# KiCad board Leopold Replacement.kicad_pcb (continued)
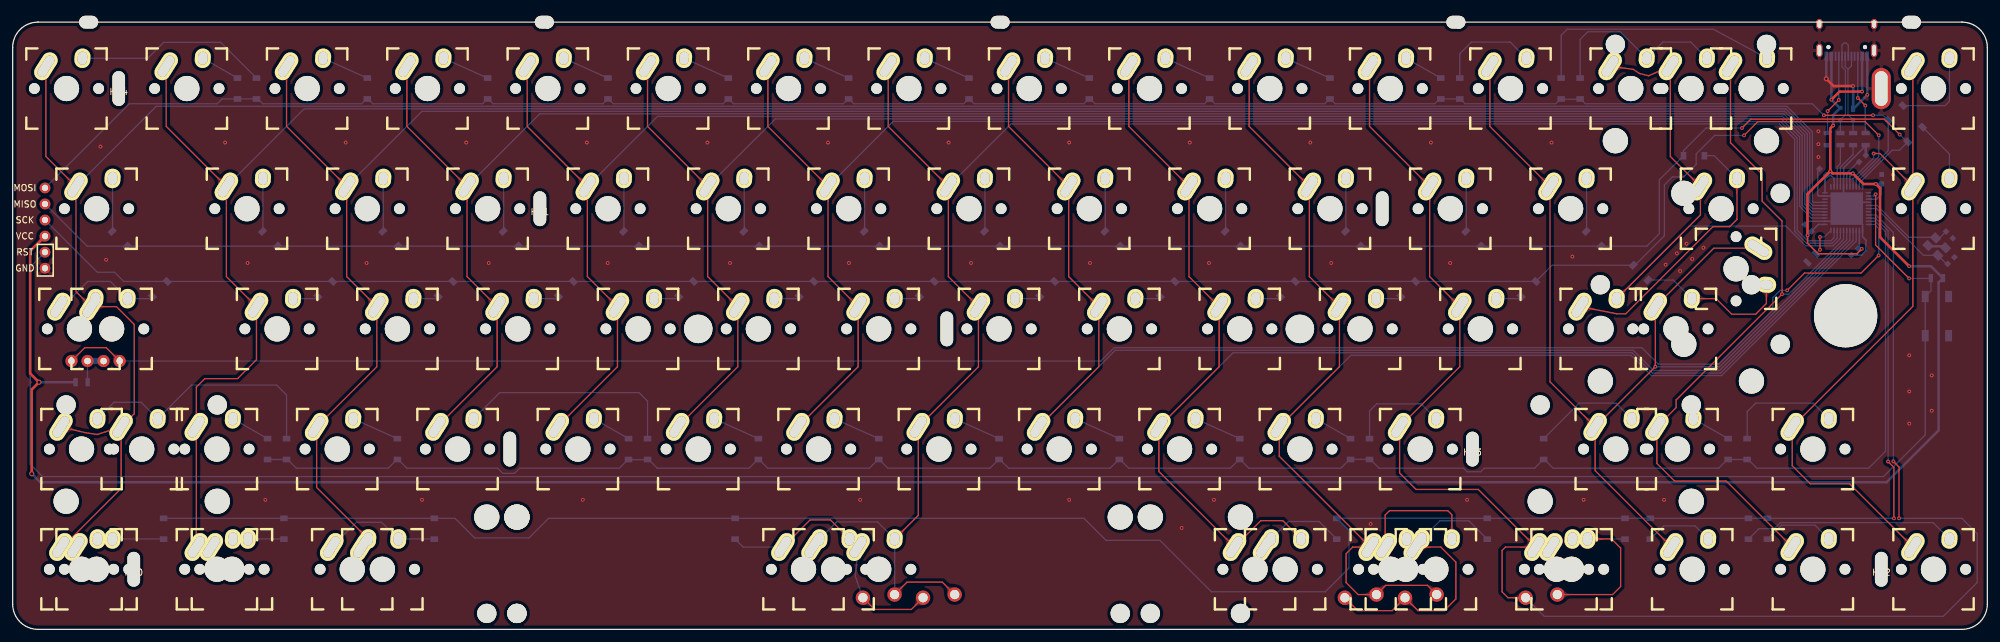
[diagram p0: board, top side]
## Routing (per net, layer and track width the routed paths; a pad name or vN(x,y) marks a point on that pad's centre or on a via; arc(x,y) is an arc through that point)
+5V: length 478
  Top w0.25: v1(292.13,60.19) 291.35,59.41 285.23,59.41 283.56,61.07 v1(283.56,62.34)
  Top w0.4: v1(283.56,62.34) 283.56,68.89 v1(287.15,72.48) ; v1(287.15,72.48) 287.51,72.12 v1(290.71,72.12) 292.39,70.45 v1(294.37,70.45) 295.02,69.8 295.02,62.03 v1(299.61,57.44) ; v1(287.15,72.48) 287.15,79.25 v1(287.6,79.7) ; J3.2 2.76,59.86 2.76,40.49 v2(4.16,39.09) 3.02,37.95 v2(3.02,24.61) ; v1(287.33,83.78) 288.61,85.06 v1(292.17,85.06)
  Bottom w0.25: U2.2 287.75,71.32 287.28,71.8 C1.2 ; U2.34 285.27,64.05 C5.2 ; U2.14 294.47,68.05 295.19,68.77 295.19,70.45 ; v1(290.71,72.12) 290.25,71.66 U2.7 ; U2.24 291.75,60.21 ; v1(283.56,62.34) 284.26,63.03 ; U2.44 286.31,71.79 ; v1(292.13,60.19) 291.47,60.19
  Bottom w0.4: 287.33,90.66 v1(287.33,83.78) 288.6,82.5 ; v1(292.17,85.06) 292.17,90.66 ; v2(4.16,39.09) R8.1 ; v1(287.6,79.7) 287.6,81.35 U1.4 ; v1(299.61,57.44) 303.06,57.44 R5.1 304.26,54.86 304.26,31.47 296.07,23.28 4.35,23.28 v2(3.02,24.61) ; v1(294.37,70.45) 295.19,70.45 ; v1(287.15,72.48) 286.39,71.72
GND: length 68.6
  Top w0.4: v1(290.75,85.94) 287.68,85.94 v3(286.52,87.09)
  Bottom w0.25: 292.79,76.54 289.25,73 U2.5 289.25,67.05 U2.45 ; U2.45 290.75,67.55 U2.15 ; U2.45 287.75,68.55 U2.43 285.34,68.55 285.17,68.72 285.17,72.89 ; U2.45 292.25,64.05 U2.23 292.25,62.1 292.77,61.58 292.77,59.86 292.11,59.2 C7.1 ; U2.45 287.75,64.55 U2.35 283.65,64.55 C5.1
  Bottom w0.4: v3(286.52,87.09) USB1.1 ; 293.05,90.61 293,90.66 v1(293,84.55) U1.1 v1(290.75,85.94) ; C6.2 292.75,75 R2.1 ; 302.71,60.6 305.11,60.6
  vias: v1(13.88,76.37) v1(14.76,58.46) v1(33.56,77) v1(37.12,57.95) v1(39.91,20.49) v1(52.61,77) v1(55.91,57.95) v1(64.67,20.49) v1(71.66,77) v1(75.22,57.95) v1(90.08,20.49) v1(90.71,77) v1(94.01,57.95) v1(109.76,77) v1(113.32,57.95) v1(128.81,77) v1(132.11,57.95) v1(133.89,20.49) v1(147.86,77) v1(151.42,57.95) v1(166.91,77) v1(166.91,20.49) v1(170.21,57.95) v1(184.69,16.04) v1(185.96,77) v1(189.01,57.95) v1(189.77,20.49) v1(205.01,77) v1(208.31,57.95) v1(214.53,16.68) v1(224.06,77) v1(227.11,57.95) v1(229.78,20.49) v1(243.11,77) v1(246.41,58.97) v1(248.19,20.49) v1(260.89,20.49) v1(261.14,57.7) v1(262.92,59.47) v1(263.43,56.68) v1(264.45,61) v1(265.33,58.59) v1(267.11,60.36) v1(285.27,78.78) v1(285.27,76.75) v1(285.27,74.71) v1(297.06,71.92) v1(299.62,43.35) v1(299.62,37.63) v1(299.62,32.55) v1(303.18,40.17) v1(303.18,34.58)
Col0: length 393
  Top w0.2: 5.25,89.07 5.25,74.81 MX2.1 10,53.42 MX3.1 16.4,51.05 19.21,48.23 19.21,34.11 MX4.1 ; MX4.1 13.34,30.82 11.41,31.13 MX58.1 ; MX4.1 17.13,22.28 7.88,13.03
  Bottom w0.2: U2.41 284.5,67.55 284.32,67.73 284.32,78.7 280.28,82.74 22.69,82.74 MX2.1
Col1: length 359.3
  Top w0.2: 24.26,89.07 24.26,79.56 MX6.1 33.77,55.8 MX7.1 38.52,42.64 35.54,39.66 30.36,39.66 29.01,38.32 MX8.1 MX67.1
  Bottom w0.2: MX6.1 46.05,82.34 280.11,82.34 283.92,78.53 283.92,67.56 284.43,67.05 U2.40
Col2: length 339.3
  Top w0.2: MX68.2 48.02,22.45 MX12.1 57.53,41.54 MX11.1 52.77,55.8 MX10.1 43.27,79.56 43.27,89.07
  Bottom w0.2: U2.39 284.37,66.55 283.52,67.39 283.52,78.37 279.95,81.94 64.66,81.94 MX10.1
Col3: length 299
  Top w0.2: MX16.1 76.54,41.54 MX15.1 71.78,55.8 71.78,70.06 62.28,79.56 62.28,89.07
  Bottom w0.2: 71.78,70.06 83.27,81.54 279.78,81.54 283.12,78.2 283.12,67.23 284.3,66.05 U2.38
Col4: length 279.9
  Top w0.2: 81.29,89.07 81.29,79.56 MX18.1 90.8,55.8 MX19.1 95.55,41.54 MX20.1
  Bottom w0.2: U2.37 284.23,65.55 282.72,67.06 282.72,78.04 279.62,81.14 101.88,81.14 MX18.1
Col5: length 260.7
  Top w0.2: MX24.1 114.56,41.54 MX23.1 109.81,55.8 MX22.1 100.3,79.56 100.3,89.07
  Bottom w0.2: U2.36 284.17,65.05 282.32,66.9 282.32,77.87 279.45,80.74 120.49,80.74 MX22.1
Col6: length 247.8
  Top w0.2: 119.31,89.07 119.31,79.56 MX26.1 128.81,55.8 MX27.1 133.57,41.54 MX28.1
  Bottom w0.2: MX26.1 139.1,80.34 279.29,80.34 281.92,77.7 281.92,63.13 283.59,61.47 287.26,61.47 287.75,61.96 U2.32
Col7: length 282.6
  Top w0.2: 138.32,89.07 138.32,79.56 147.82,70.06 147.82,55.8 MX31.1 152.58,41.54 MX32.1 143.07,18.03 MX86.2 ; MX73.1 146.86,7.47 141.28,7.47 MX85.1
  Bottom w0.2: MX85.1 139.34,5.53 MX86.2 136.64,16.99 130.16,16.99 MX83.2 ; 147.82,70.06 157.71,79.94 279.12,79.94 281.52,77.54 281.52,62.97 283.42,61.07 287.42,61.07 288.25,61.89 U2.31
Col8: length 211.5
  Top w0.2: MX36.1 171.59,41.54 MX35.1 166.84,55.8 MX34.1 157.33,79.56 157.33,89.07
  Bottom w0.2: U2.27 290.25,61.54 269.65,40.94 259.22,40.94 256.01,44.15 174.2,44.15 MX36.1
Col9: length 230.4
  Top w0.2: 176.34,89.07 176.34,79.56 MX38.1 185.84,55.8 MX39.1 190.6,41.54 MX40.1 181.09,24.96 MX77.1 197.18,17.18 200.66,17.18 MX79.2
  Bottom w0.2: MX40.1 192.81,43.75 255.85,43.75 259.06,40.54 269.82,40.54 290.75,61.48 U2.26
Col10: length 244.6
  Top w0.2: MX69.1 223.51,6.96 216.92,6.96 MX71.1 212.56,5.51 210.66,7.4 210.66,11.98 211.71,13.03 MX72.1 200.1,27.38 MX44.1 209.61,41.54 MX43.1 204.85,55.8 MX42.1 195.35,79.56 195.35,89.07 ; MX78.1 216.84,18.09 217.52,18.77 226.73,18.77 227.36,18.13 MX80.2
  Bottom w0.2: MX44.1 211.42,43.35 255.68,43.35 258.89,40.14 269.98,40.14 291.25,61.41 U2.25
Col11: length 263.3
  Top w0.2: v1(297.12,26.57) 298.01,25.68 v1(298.01,17.57) ; MX70.2 236.24,5.01 235.3,5.94 235.3,12.48 235.84,13.03 MX84.1 231.54,22.14 221.71,22.14 219.11,24.73 MX48.1 228.62,41.54 MX47.1 223.87,55.8 MX46.1 214.36,79.56 214.36,89.07
  Bottom w0.2: MX70.2 241.96,2.07 305.02,2.07 310.36,7.4 310.36,15.15 307.94,17.57 v1(298.01,17.57) ; U2.19 294.36,65.55 297.12,62.79 v1(297.12,26.57)
Col12: length 171
  Top w0.2: MX52.1 v1(259.51,41.54) MX51.1 268.75,60.29 MX64.1 ; MX52.1 250,25.11 MX74.1 ; MX52.1 242.88,39.16 MX50.1 233.37,79.56 233.37,89.07
  Bottom w0.2: U2.28 289.75,61.61 269.68,41.54 v1(259.51,41.54)
Col13: length 97.5
  Top w0.2: MX65.2 266.64,65.55 MX54.1 261.88,74.81 261.88,89.07 258.45,87.57 257.03,87.92 256.01,88.58 252.38,89.07
  Bottom w0.2: U2.30 288.75,61.83 287.59,60.67 283.26,60.67 280.13,63.79 264.88,63.79 MX65.2
Col14: length 116
  Top w0.2: 271.39,89.07 271.39,76.98 276.38,71.98 276.38,67.73 279.53,64.58 v1(279.53,53.02) 262.8,36.28 262.8,35.07 MX60.1 259.76,26.25 262.54,23.47 270.7,23.47 MX75.1
  Bottom w0.2: v1(279.53,53.02) 280.6,53.02 289.25,61.67 U2.29
Col15: length 110.4
  Top w0.2: 300.2,89.07 MX62.1 ; MX62.1 300.2,51.1 MX56.1 281.14,25.88 284,23.03 290.2,23.03 MX76.1 ; MX62.1 294.99,75.27 v1(294,75.27)
  Bottom w0.2: v1(294,75.27) 294,74.55 290.75,71.3 U2.8
D+: length 7.4
  Bottom w0.2: U2.4 288.75,73.1 290.75,75.1 R3.1
D-: length 6.8
  Bottom w0.2: R4.1 288.75,73.67 288.25,73.17 U2.3
Row0: length 318.2
  Top w0.2: v1(286.13,81.32) v1(293.91,81.32)
  Bottom w0.2: v1(286.13,81.32) 284.31,83.14 248.45,83.14 247.73,83.86 244.48,83.86 243.76,83.14 229.45,83.14 228.68,83.91 225.43,83.91 224.66,83.14 208.93,83.14 208.11,83.96 207.29,83.14 189.93,83.14 189.11,83.96 188.29,83.14 170.98,83.14 170.11,84.01 169.24,83.14 151.88,83.14 151.06,83.96 150.24,83.14 132.87,83.14 132.05,83.96 131.24,83.14 113.88,83.14 113.06,83.96 112.24,83.14 94.88,83.14 94.06,83.96 93.24,83.14 75.88,83.14 75.06,83.96 74.24,83.14 56.88,83.14 56.01,84.01 55.14,83.14 39.51,83.14 38.76,83.9 D5.1 33.09,83.9 32.33,83.14 18.43,83.14 J3.4 ; U2.10 291.75,71.17 296.3,75.72 D61.1 295.49,81.32 v1(293.91,81.32)
Row1: length 323.2
  Top w0.2: v1(298.13,78.27) 295.68,80.72 274.62,80.72 v1(273.2,79.3)
  Bottom w0.2: D62.1 298.09,75.79 296.94,75.79 292.25,71.1 U2.11 ; v1(298.13,78.27) 299.45,76.95 ; v1(273.2,79.3) 267.55,79.3 263.96,75.72 D54.1 260.14,71.09 260.14,62.59 258.17,60.62 D2.1 11.78,60.62 J3.1
Row2: length 320.3
  Top w0.2: v1(294.81,78.15) 292.65,80.32 275.71,80.32 v1(273.53,78.14)
  Bottom w0.2: v1(294.81,78.15) 294.81,74.8 291.25,71.23 U2.9 ; v1(273.53,78.14) 268.9,78.14 265.97,75.21 265.97,73.55 263.99,71.56 262.21,71.56 260.94,70.29 260.94,62.25 256.17,57.48 ; D51.1 243.21,57.59 D47.1 D3.1 17.56,55.03 16.1,56.49 13.37,56.49 J3.3
Row3: length 308.6
  Bottom w0.2: U2.21 294.23,64.55 295.88,62.89 295.88,28.18 293.21,25.5 275.56,25.5 274.19,26.87 270.89,26.87 269.53,25.5 243.36,25.5 241.9,26.96 240.44,25.5 232.51,25.5 231.93,24.93 229.78,24.93 229.2,25.5 215.87,25.5 214.47,26.9 211.23,26.9 209.84,25.5 195.29,25.5 193.83,26.96 192.37,25.5 176.31,25.5 174.85,26.96 173.39,25.5 157.32,25.5 155.86,26.96 154.4,25.5 138.27,25.5 136.81,26.96 135.35,25.5 119.28,25.5 117.82,26.96 116.36,25.5 101.82,25.5 100.49,26.84 97.19,26.84 95.85,25.5 80.11,25.5 79.28,24.68 77.44,24.68 76.61,25.5 62.26,25.5 60.8,26.96 59.34,25.5 44.8,25.5 43.44,26.87 40.07,26.87
Row4: length 342.7
  Top w0.2: v1(297.21,17.56) 297.21,25.63 v1(296.28,26.56)
  Bottom w0.2: D59.1 69.88,17.56 72.99,14.45 81.57,14.45 84.68,17.56 169.26,17.56 172.75,14.07 181.26,14.07 189.39,5.94 207.36,5.94 211.11,9.69 211.11,15.65 D67.1 v1(297.21,17.56) ; U2.20 294.29,65.05 296.28,63.06 v1(296.28,26.56)
RST: length 382.6
  Top w0.2: v1(294.32,68.82) 294.32,60.8 v1(299.61,55.51)
  Bottom w0.2: U2.13 294.05,68.55 v1(294.32,68.82) ; R5.2 303.05,53.55 SW1.2 SW1.2 302.15,30.76 295.56,24.17 4.73,24.17 2.76,26.14 2.76,57.32 J3.5 ; v1(299.61,55.51) 302.9,55.51
Net-(C2-Pad1): length 16.1
  Bottom w0.2: 305.59,57.71 Y1.1 301.88,59.16 294.49,66.55 U2.17
Net-(C3-Pad1): length 13.9
  Bottom w0.2: U2.16 294.55,67.05 299.59,62.01 303.56,62.01 ; C3.1 304.44,61.92
Net-(C6-Pad1): length 4.7
  Bottom w0.2: 291.57,73.95 289.75,72.13 U2.6
Net-(D1-Pad2): length 30.9
  Bottom w0.2: MX1.2 21.34,90.34 23.86,92.85 32.87,92.85 D1.2
Net-(D2-Pad2): length 8.3
  Bottom w0.2: MX2.2 15.78,63.03
Net-(D3-Pad2): length 17
  Bottom w0.2: 7.88,51.05 11.86,55.03 15.44,55.03 MX3.2 22.08,52.32
Net-(D4-Pad2): length 41.8
  Bottom w0.2: D4.2 43.27,37.06 41.69,38.65 28.25,38.65 MX4.2 20.3,35.92 16.01,35.92 MX58.2
Net-(D5-Pad2): length 6.3
  Bottom w0.2: 30.03,90.34 D5.2
Net-(D6-Pad2): length 8.3
  Bottom w0.2: MX6.2 39.54,63.04
Net-(D7-Pad2): length 4.1
  Bottom w0.2: MX7.2 48.36,52.32
Net-(D8-Pad2): length 6.3
  Bottom w0.2: MX8.2 D8.2
Net-(D9-Pad2): length 7.7
  Bottom w0.2: D9.2 MX9.2
Net-(D10-Pad2): length 8.2
  Bottom w0.2: MX10.2 58.55,63.13
Net-(D11-Pad2): length 3.9
  Bottom w0.2: MX11.2 67.19,52.32
Net-(D12-Pad2): length 7.7
  Bottom w0.2: D12.2 MX12.2
Net-(D13-Pad2): length 7.7
  Bottom w0.2: D13.2 68.06,90.34
Net-(D14-Pad2): length 8.2
  Bottom w0.2: MX14.2 77.56,63.09
Net-(D15-Pad2): length 4.1
  Bottom w0.2: MX15.2 86.39,52.32
Net-(D16-Pad2): length 35.7
  Bottom w0.2: MX16.2 76.94,37.44 98.97,37.44 100.3,36.1 D16.2
Net-(D17-Pad2): length 7.7
  Bottom w0.2: D17.2 MX17.2
Net-(D18-Pad2): length 8
  Bottom w0.2: MX18.2 96.57,63.3
Net-(D19-Pad2): length 4
  Bottom w0.2: MX19.2 105.36,52.32
Net-(D20-Pad2): length 6.3
  Bottom w0.2: D20.2 MX20.2
Net-(D21-Pad2): length 7.7
  Bottom w0.2: D21.2 MX21.2
Net-(D22-Pad2): length 8.3
  Bottom w0.2: MX22.2 115.58,63.01
Net-(D23-Pad2): length 4.1
  Bottom w0.2: MX23.2 124.39,52.32
Net-(D24-Pad2): length 7.7
  Bottom w0.2: D24.2 MX24.2
Net-(D25-Pad2): length 7.7
  Bottom w0.2: D25.2 MX25.2
Net-(D26-Pad2): length 8.2
  Bottom w0.2: MX26.2 134.59,63.1
Net-(D27-Pad2): length 4
  Bottom w0.2: MX27.2 143.34,52.32
Net-(D28-Pad2): length 7.7
  Bottom w0.2: D28.2 MX28.2
Net-(D29-Pad2): length 7.7
  Bottom w0.2: D29.2 MX29.2
Net-(D30-Pad2): length 8
  Bottom w0.2: MX30.2 153.6,63.31
Net-(D31-Pad2): length 4.1
  Bottom w0.2: MX31.2 162.49,52.32
Net-(D32-Pad2): length 7.7
  Bottom w0.2: D32.2 MX32.2
Net-(D33-Pad2): length 7.7
  Bottom w0.2: D33.2 163.1,90.34
Net-(D34-Pad2): length 8.2
  Bottom w0.2: MX34.2 172.61,63.14
Net-(D35-Pad2): length 4
  Bottom w0.2: MX35.2 181.38,52.32
Net-(D36-Pad2): length 7.7
  Bottom w0.2: D36.2 MX36.2
Net-(D37-Pad2): length 7.7
  Bottom w0.2: D37.2 MX37.2
Net-(D38-Pad2): length 8.2
  Bottom w0.2: MX38.2 191.62,63.1
Net-(D39-Pad2): length 4
  Bottom w0.2: MX39.2 200.33,52.32
Net-(D40-Pad2): length 7.7
  Bottom w0.2: D40.2 MX40.2
Net-(D41-Pad2): length 7.7
  Bottom w0.2: D41.2 MX41.2
Net-(D42-Pad2): length 8.1
  Bottom w0.2: MX42.2 210.63,63.19
Net-(D43-Pad2): length 4.1
  Bottom w0.2: MX43.2 219.48,52.32
Net-(D44-Pad2): length 6.3
  Bottom w0.2: D44.2 MX44.2
Net-(D45-Pad2): length 6.3
  Bottom w0.2: MX45.2 D45.2
Net-(D46-Pad2): length 8
  Bottom w0.2: MX46.2 229.64,63.28
Net-(D47-Pad2): length 4.1
  Bottom w0.2: MX47.2 238.53,52.32
Net-(D48-Pad2): length 16.3
  Bottom w0.2: D48.2 214.36,34.54 215.49,35.66 222.53,35.66 MX48.2
Net-(D49-Pad2): length 16.2
  Bottom w0.2: MX49.2 236.58,92.9 230.46,92.9 228.62,91.06 D49.2
Net-(D50-Pad2): length 8.3
  Bottom w0.2: MX50.2 248.65,62.98
Net-(D51-Pad2): length 24.6
  Top w0.2: MX51.2 269.12,52.32 271.58,49.85 275.37,49.85 277.06,51.54 MX64.2
  Bottom w0.2: D51.2 262.34,55.26 MX51.2
Net-(D52-Pad2): length 17.3
  Bottom w0.2: MX52.2 253.3,35.79 247.5,35.79 D52.2
Net-(D53-Pad2): length 30.5
  Bottom w0.2: MX63.2 265.09,92.9 260.72,92.9 MX53.2 253.96,94.53 248.85,94.53 247.63,93.31 247.63,87.16
Net-(D54-Pad2): length 44.2
  Top w0.2: MX65.1 253.37,49.92 254.84,49.92 268.61,63.69 271.25,63.69 272.41,64.85 MX54.2
  Bottom w0.2: D54.2 268.82,74.92 MX54.2
Net-(D55-Pad1): length 303.6
  Top w0.2: v1(294.8,59.14) 292.02,56.36 283.08,56.36 v1(280.34,53.62) ; D55.1 14.8,44.55 11.39,44.55 D71.1
  Bottom w0.2: v1(294.8,59.14) 294.8,63.41 294.16,64.05 U2.22 ; v1(280.34,53.62) 279.25,53.62 278.07,52.44 278.07,50.49 269.53,41.95 259.99,41.95 257.39,44.55 174.03,44.55 171.93,42.45 D55.1
Net-(D55-Pad2): length 5.8
  Bottom w0.2: D71.2 11.82,39.17
  Bottom w1: D71.2 D55.2
Net-(D56-Pad2): length 18.8
  Bottom w0.2: D56.2 274.02,34.44 275.37,35.79 284.44,35.79 MX56.2
Net-(D57-Pad2): length 40.9
  Bottom w0.2: D57.2 244.63,93.96 245.59,94.93 268.67,94.93 MX57.2
Net-(D58-Pad2): length 6.3
  Bottom w0.2: D58.2 MX60.2
Net-(D59-Pad2): length 8.2
  Bottom w0.2: MX88.2 23.94,14.3
Net-(D60-Pad2): length 5.3
  Bottom w0.2: MX59.2 42.48,14.3
Net-(D61-Pad2): length 14.4
  Bottom w0.2: MX61.2 305.98,83.53 305.29,82.84 D61.2
Net-(D62-Pad2): length 9.9
  Bottom w0.2: MX62.2 305.98,75.19 D62.2
Net-(D63-Pad2): length 18.5
  Bottom w0.2: MX68.1 54.3,16.93 58.29,16.93 MX66.2 66.17,14.3
Net-(D64-Pad2): length 10.9
  Bottom w0.2: MX74.2 265.8,16.36 260.81,16.36 D64.2
Net-(D65-Pad2): length 11.5
  Bottom w0.2: D65.2 279.45,16.48 284.73,16.48 MX75.2
Net-(D66-Pad2): length 33.9
  Bottom w0.2: D66.2 275.9,15.93 278.33,15.93 279.28,16.88 303.39,16.88 MX76.2
Net-(D67-Pad2): length 12.7
  Bottom w0.2: MX77.2 201.56,17.06 206.4,17.06 D67.2
Net-(D68-Pad2): length 46.8
  Top w0.2: MX80.1 225.61,13.03 228,10.64 228,4.8 226.16,2.96 222.01,2.96 MX69.2 217.92,2.96 212.51,2.96 MX71.2
  Bottom w0.2: MX78.2 225.48,17.16 230.05,17.16 D68.2
Net-(D69-Pad2): length 28.3
  Top w0.2: MX81.2 252.6,14.3 254.03,12.87 254.03,6.77 252.77,5.51 MX70.1
  Bottom w0.2: MX81.2 254.7,14.3
Net-(D70-Pad2): length 40.9
  Top w0.2: MX85.2 136.18,3.15 141.97,3.15 MX73.2 ; MX83.1 125.97,17.31 129.2,17.31 MX82.2
  Bottom w0.2: MX86.1 133.13,8.39 MX85.2 ; D70.2 115.38,13.03 MX83.1
Net-(R1-Pad2): length 12.9
  Top w0.2: v1(288.5,83.74) v1(286.73,81.98)
  Bottom w0.2: R1.2 286.73,78.52 v1(286.73,81.98) ; USB1.4 v1(288.5,83.74)
Net-(R2-Pad2): length 12.6
  Top w0.2: v1(291.5,84.04) v1(292.69,82.85)
  Bottom w0.2: v1(291.5,84.04) 291.5,84.05 USB1.10 ; v1(292.69,82.85) 292.69,78.58
Net-(R3-Pad2): length 15
  Bottom w0.2: USB1.8 290.5,89.14 289.95,88.59 ; R3.2 U1.2 289.95,81.4 289.95,88.59 ; 289.95,88.59 289.5,89.04 USB1.6
Net-(R4-Pad2): length 17.5
  Bottom w0.2: USB1.7 290,92.42 289.67,92.75 289.33,92.75 289,92.42 USB1.5 289,88.97 289.54,88.43 289.54,81.39 U1.3 R4.2
Net-(R6-Pad2): length 5.1
  Top w0.2: v1(285.53,60.03) v1(285.53,62.07)
  Bottom w0.2: R6.2 v1(285.53,60.03) ; U2.33 286.2,62.07 v1(285.53,62.07)

## Copper pours and planes (outline as drawn; the poured copper is in the pictures)
+5V on Top: 4.06,60.87 4.11,60.92 4.16,60.96 4.2,61 4.25,61.04 4.29,61.07 4.34,61.1 4.38,61.13 5.39,61.4 5.41,62.51 4.31,62.48 4.03,61.47 4.01,61.43 3.98,61.39 3.94,61.34 3.91,61.3 3.87,61.25 3.82,61.2 3.78,61.15
GND on Top: 325.86,-11.29 -7.49,-11.29 -7.49,100.11 325.86,100.11
GND on Bottom: 325.86,-11.29 -7.49,-11.29 -7.49,100.11 325.86,100.11
Col0 on Top: 5.35,86.58 5.35,86.68 5.36,86.78 5.37,86.87 5.38,86.96 5.4,87.04 5.42,87.12 5.44,87.19 5.46,87.25 5.49,87.31 5.52,87.37 5.55,87.43 5.59,87.48 5.62,87.53 5.66,87.58 6.01,87.97 6.06,88.03 6.1,88.09 6.15,88.15 6.2,88.21 6.24,88.28 6.29,88.36 6.33,88.44 6.38,88.52 5.25,89.69 4.12,88.52 4.17,88.44 4.21,88.36 4.26,88.28 4.3,88.21 4.35,88.15 4.4,88.09 4.44,88.03 4.49,87.97 4.84,87.58 4.88,87.53 4.91,87.48 4.95,87.43 4.98,87.37 5.01,87.31 5.04,87.25 5.06,87.19 5.08,87.12 5.1,87.04 5.12,86.96 5.13,86.87 5.14,86.78 5.15,86.68 5.15,86.58
Col0 on Top: 10.07,31.55 9.97,31.58 9.87,31.61 9.79,31.64 9.7,31.67 9.63,31.71 9.56,31.74 9.5,31.78 9.44,31.82 9.39,31.86 9.34,31.9 9.29,31.95 9.25,31.99 9.2,32.04 9.17,32.09 8.87,32.52 8.82,32.58 8.78,32.64 8.73,32.7 8.68,32.76 8.62,32.82 8.56,32.88 8.49,32.94 8.42,33 7.02,32.18 7.89,30.81 7.99,30.84 8.07,30.86 8.16,30.89 8.24,30.92 8.31,30.95 8.38,30.98 8.45,31.01 8.51,31.04 8.97,31.29 9.03,31.31 9.09,31.34 9.15,31.36 9.21,31.38 9.27,31.39 9.34,31.41 9.41,31.41 9.48,31.42 9.56,31.42 9.64,31.42 9.73,31.41 9.82,31.4 9.92,31.38 10.02,31.36
Col0 on Top: 10.55,52.74 10.62,52.66 10.69,52.58 10.75,52.51 10.8,52.44 10.84,52.37 10.88,52.31 10.92,52.24 10.95,52.18 10.97,52.11 10.99,52.05 11.01,51.99 11.02,51.93 11.03,51.86 11.04,51.8 11.07,51.28 11.07,51.21 11.08,51.13 11.09,51.06 11.11,50.98 11.12,50.9 11.14,50.81 11.17,50.73 11.2,50.64 12.82,50.6 12.79,52.23 12.7,52.26 12.61,52.28 12.53,52.3 12.44,52.32 12.37,52.33 12.29,52.34 12.22,52.35 12.14,52.36 11.62,52.39 11.56,52.39 11.5,52.4 11.44,52.42 11.37,52.43 11.31,52.45 11.25,52.48 11.18,52.51 11.12,52.54 11.05,52.58 10.98,52.63 10.91,52.68 10.84,52.74 10.77,52.8 10.69,52.88
Col0 on Top: 14.79,31.18 14.89,31.21 14.99,31.24 15.08,31.26 15.17,31.27 15.25,31.28 15.32,31.28 15.4,31.28 15.47,31.28 15.54,31.27 15.6,31.26 15.66,31.25 15.73,31.23 15.78,31.21 15.84,31.19 16.32,30.98 16.39,30.95 16.46,30.92 16.53,30.9 16.61,30.87 16.69,30.85 16.77,30.83 16.86,30.81 16.96,30.8 17.73,32.23 16.27,32.94 16.2,32.87 16.14,32.81 16.08,32.74 16.03,32.68 15.98,32.61 15.94,32.55 15.9,32.49 15.86,32.43 15.59,31.98 15.56,31.92 15.52,31.87 15.48,31.83 15.44,31.78 15.39,31.73 15.34,31.69 15.28,31.64 15.22,31.6 15.16,31.56 15.09,31.52 15.01,31.48 14.92,31.44 14.83,31.41 14.73,31.37
Col0 on Top: 10.1,67.57 10.1,67.67 10.11,67.77 10.12,67.86 10.13,67.95 10.15,68.03 10.17,68.11 10.19,68.18 10.22,68.24 10.24,68.3 10.27,68.36 10.31,68.42 10.34,68.47 10.38,68.52 10.42,68.57 10.76,68.96 10.81,69.02 10.86,69.08 10.9,69.14 10.95,69.2 11,69.27 11.04,69.35 11.08,69.43 11.13,69.51 10,70.68 8.88,69.51 8.92,69.43 8.96,69.35 9.01,69.27 9.06,69.2 9.1,69.14 9.15,69.08 9.19,69.02 9.24,68.96 9.59,68.57 9.63,68.52 9.66,68.47 9.7,68.42 9.73,68.36 9.76,68.3 9.79,68.24 9.81,68.18 9.84,68.11 9.86,68.03 9.87,67.95 9.89,67.86 9.89,67.77 9.9,67.67 9.9,67.57
Col0 on Top: 17.23,29.55 17.23,29.65 17.24,29.75 17.25,29.84 17.26,29.93 17.28,30.01 17.3,30.09 17.32,30.16 17.34,30.22 17.37,30.28 17.4,30.34 17.43,30.4 17.47,30.45 17.51,30.5 17.54,30.55 17.89,30.94 17.94,31 17.99,31.06 18.03,31.12 18.08,31.18 18.12,31.25 18.17,31.33 18.21,31.41 18.26,31.49 17.13,32.66 16.01,31.49 16.05,31.41 16.09,31.33 16.14,31.25 16.18,31.18 16.23,31.12 16.28,31.06 16.32,31 16.37,30.94 16.72,30.55 16.76,30.5 16.79,30.45 16.83,30.4 16.86,30.34 16.89,30.28 16.92,30.22 16.94,30.16 16.97,30.09 16.99,30.01 17,29.93 17.01,29.84 17.02,29.75 17.03,29.65 17.03,29.55
Col0 on Top: 18.82,33.87 18.74,33.79 18.67,33.73 18.6,33.67 18.53,33.62 18.46,33.57 18.39,33.53 18.33,33.5 18.26,33.47 18.2,33.44 18.14,33.42 18.07,33.41 18.01,33.39 17.95,33.38 17.89,33.38 17.37,33.35 17.29,33.34 17.22,33.33 17.14,33.32 17.07,33.31 16.98,33.29 16.9,33.27 16.81,33.25 16.72,33.22 16.69,31.59 18.31,31.63 18.34,31.72 18.37,31.8 18.39,31.89 18.4,31.97 18.42,32.05 18.43,32.12 18.44,32.2 18.44,32.27 18.47,32.79 18.48,32.85 18.49,32.92 18.5,32.98 18.52,33.04 18.54,33.1 18.56,33.17 18.59,33.23 18.63,33.3 18.67,33.36 18.71,33.43 18.76,33.5 18.82,33.57 18.89,33.65 18.96,33.73
Col0 on Top: 9.45,14.74 9.37,14.67 9.3,14.6 9.23,14.55 9.16,14.5 9.1,14.45 9.03,14.42 8.97,14.38 8.91,14.36 8.85,14.34 8.79,14.32 8.72,14.31 8.66,14.29 8.6,14.29 8.54,14.28 8.48,14.28 7.88,14.3 7.81,14.3 7.73,14.3 7.65,14.29 7.56,14.28 7.48,14.27 7.39,14.25 7.13,12.65 8.74,12.45 8.78,12.54 8.82,12.63 8.85,12.71 8.88,12.79 8.91,12.87 8.93,12.95 8.95,13.02 8.96,13.09 8.97,13.16 9.04,13.62 9.06,13.69 9.07,13.75 9.09,13.82 9.11,13.88 9.13,13.95 9.16,14.01 9.19,14.08 9.23,14.15 9.27,14.22 9.32,14.29 9.38,14.36 9.44,14.44 9.51,14.51 9.59,14.6
Col0 on Top: 8.17,71.75 8.24,71.67 8.31,71.59 8.37,71.52 8.42,71.45 8.47,71.38 8.51,71.32 8.54,71.25 8.57,71.19 8.59,71.12 8.61,71.06 8.63,71 8.64,70.94 8.65,70.87 8.66,70.81 8.69,70.29 8.7,70.22 8.71,70.14 8.72,70.07 8.73,69.99 8.75,69.91 8.77,69.82 8.79,69.74 8.82,69.65 10.44,69.61 10.41,71.24 10.32,71.27 10.23,71.29 10.15,71.31 10.07,71.33 9.99,71.34 9.91,71.35 9.84,71.36 9.77,71.37 9.24,71.4 9.18,71.4 9.12,71.41 9.06,71.43 9,71.44 8.93,71.46 8.87,71.49 8.81,71.52 8.74,71.55 8.67,71.59 8.61,71.64 8.54,71.69 8.46,71.75 8.39,71.81 8.31,71.89
Col0 on Top: 14.87,51.15 14.76,51.15 14.66,51.15 14.57,51.16 14.48,51.18 14.4,51.19 14.33,51.21 14.26,51.23 14.19,51.26 14.13,51.29 14.07,51.32 14.02,51.35 13.96,51.38 13.91,51.42 13.86,51.46 13.47,51.81 13.42,51.85 13.36,51.9 13.3,51.95 13.23,51.99 13.16,52.04 13.09,52.08 13.01,52.13 12.92,52.17 11.75,51.05 12.92,49.92 13.01,49.96 13.09,50.01 13.16,50.05 13.23,50.1 13.3,50.14 13.36,50.19 13.42,50.24 13.47,50.28 13.86,50.63 13.91,50.67 13.96,50.71 14.02,50.74 14.07,50.77 14.13,50.8 14.19,50.83 14.26,50.86 14.33,50.88 14.4,50.9 14.48,50.92 14.57,50.93 14.66,50.94 14.76,50.94 14.87,50.95
Col0 on Bottom: 11.69,71.89 11.62,71.81 11.54,71.75 11.47,71.69 11.4,71.64 11.33,71.59 11.26,71.55 11.2,71.52 11.13,71.49 11.07,71.46 11.01,71.44 10.95,71.43 10.88,71.41 10.82,71.4 10.76,71.4 10.24,71.37 10.17,71.36 10.09,71.35 10.02,71.34 9.94,71.33 9.86,71.31 9.77,71.29 9.68,71.27 9.59,71.24 9.56,69.61 11.18,69.65 11.21,69.74 11.24,69.82 11.26,69.91 11.28,69.99 11.29,70.07 11.3,70.14 11.31,70.22 11.31,70.29 11.34,70.81 11.35,70.87 11.36,70.94 11.37,71 11.39,71.06 11.41,71.12 11.44,71.19 11.46,71.25 11.5,71.32 11.54,71.38 11.58,71.45 11.64,71.52 11.69,71.59 11.76,71.67 11.83,71.75
Col1 on Top: 28.91,34.53 28.91,34.42 28.9,34.32 28.9,34.23 28.88,34.14 28.87,34.06 28.85,33.99 28.82,33.92 28.8,33.85 28.77,33.79 28.74,33.73 28.71,33.67 28.67,33.62 28.64,33.57 28.6,33.52 28.25,33.13 28.2,33.07 28.16,33.02 28.11,32.95 28.07,32.89 28.02,32.82 27.97,32.74 27.93,32.67 27.89,32.58 29.01,31.41 30.14,32.58 30.09,32.67 30.05,32.74 30.01,32.82 29.96,32.89 29.91,32.95 29.87,33.02 29.82,33.07 29.77,33.13 29.43,33.52 29.39,33.57 29.35,33.62 29.32,33.67 29.28,33.73 29.25,33.79 29.23,33.85 29.2,33.92 29.18,33.99 29.16,34.06 29.14,34.14 29.13,34.23 29.12,34.32 29.11,34.42 29.11,34.53
Col1 on Top: 28.91,15.52 28.91,15.41 28.9,15.31 28.9,15.22 28.88,15.13 28.87,15.05 28.85,14.98 28.82,14.91 28.8,14.84 28.77,14.78 28.74,14.72 28.71,14.66 28.67,14.61 28.64,14.56 28.6,14.51 28.25,14.12 28.2,14.06 28.16,14.01 28.11,13.94 28.07,13.88 28.02,13.81 27.97,13.73 27.93,13.66 27.89,13.57 29.01,12.4 30.14,13.57 30.09,13.66 30.05,13.73 30.01,13.81 29.96,13.88 29.91,13.94 29.87,14.01 29.82,14.06 29.77,14.12 29.43,14.51 29.39,14.56 29.35,14.61 29.32,14.66 29.28,14.72 29.25,14.78 29.23,14.84 29.2,14.91 29.18,14.98 29.16,15.05 29.14,15.13 29.13,15.22 29.12,15.31 29.11,15.41 29.11,15.52
Col1 on Top: 31.93,71.75 32.01,71.67 32.07,71.59 32.13,71.52 32.18,71.45 32.23,71.38 32.27,71.32 32.3,71.25 32.33,71.19 32.36,71.12 32.38,71.06 32.39,71 32.41,70.94 32.42,70.87 32.42,70.81 32.45,70.29 32.46,70.22 32.47,70.14 32.48,70.07 32.49,69.99 32.51,69.91 32.53,69.82 32.55,69.74 32.58,69.65 34.21,69.61 34.18,71.24 34.08,71.27 34,71.29 33.91,71.31 33.83,71.33 33.75,71.34 33.68,71.35 33.6,71.36 33.53,71.37 33.01,71.4 32.95,71.4 32.88,71.41 32.82,71.43 32.76,71.44 32.7,71.46 32.63,71.49 32.57,71.52 32.5,71.55 32.44,71.59 32.37,71.64 32.3,71.69 32.23,71.75 32.15,71.81 32.08,71.89
Col1 on Top: 24.36,86.58 24.36,86.68 24.37,86.78 24.38,86.87 24.39,86.96 24.41,87.04 24.43,87.12 24.45,87.19 24.47,87.25 24.5,87.31 24.53,87.37 24.56,87.43 24.6,87.48 24.63,87.53 24.67,87.58 25.02,87.97 25.07,88.03 25.11,88.09 25.16,88.15 25.21,88.21 25.25,88.28 25.3,88.36 25.34,88.44 25.39,88.52 24.26,89.69 23.14,88.52 23.18,88.44 23.22,88.36 23.27,88.28 23.31,88.21 23.36,88.15 23.41,88.09 23.45,88.03 23.5,87.97 23.85,87.58 23.89,87.53 23.92,87.48 23.96,87.43 23.99,87.37 24.02,87.31 24.05,87.25 24.07,87.19 24.09,87.12 24.11,87.04 24.13,86.96 24.14,86.87 24.15,86.78 24.16,86.68 24.16,86.58
Col1 on Top: 36.69,52.74 36.76,52.66 36.83,52.58 36.88,52.51 36.94,52.44 36.98,52.37 37.02,52.31 37.06,52.24 37.08,52.18 37.11,52.11 37.13,52.05 37.15,51.99 37.16,51.93 37.17,51.86 37.18,51.8 37.21,51.28 37.21,51.21 37.22,51.13 37.23,51.06 37.24,50.98 37.26,50.9 37.28,50.81 37.31,50.73 37.34,50.64 38.96,50.6 38.93,52.23 38.84,52.26 38.75,52.28 38.66,52.3 38.58,52.32 38.5,52.33 38.43,52.34 38.35,52.35 38.28,52.36 37.76,52.39 37.7,52.39 37.64,52.4 37.57,52.42 37.51,52.43 37.45,52.45 37.39,52.48 37.32,52.51 37.26,52.54 37.19,52.58 37.12,52.63 37.05,52.68 36.98,52.74 36.9,52.8 36.83,52.88
Col1 on Top: 38.62,48.56 38.62,48.66 38.63,48.76 38.63,48.85 38.65,48.94 38.66,49.02 38.68,49.1 38.71,49.17 38.73,49.23 38.76,49.29 38.79,49.35 38.82,49.41 38.86,49.46 38.89,49.51 38.93,49.56 39.28,49.95 39.33,50.01 39.37,50.07 39.42,50.13 39.46,50.19 39.51,50.26 39.56,50.34 39.6,50.42 39.64,50.5 38.52,51.67 37.39,50.5 37.44,50.42 37.48,50.34 37.52,50.26 37.57,50.19 37.62,50.13 37.66,50.07 37.71,50.01 37.76,49.95 38.1,49.56 38.14,49.51 38.18,49.46 38.21,49.41 38.25,49.35 38.28,49.29 38.3,49.23 38.33,49.17 38.35,49.1 38.37,49.02 38.39,48.94 38.4,48.85 38.41,48.76 38.42,48.66 38.42,48.56
Col1 on Top: 29.11,29.55 29.11,29.65 29.12,29.75 29.13,29.84 29.14,29.93 29.16,30.01 29.18,30.09 29.2,30.16 29.23,30.22 29.25,30.28 29.28,30.34 29.32,30.4 29.35,30.45 29.39,30.5 29.43,30.55 29.77,30.94 29.82,31 29.87,31.06 29.91,31.12 29.96,31.18 30.01,31.25 30.05,31.33 30.09,31.41 30.14,31.49 29.01,32.66 27.89,31.49 27.93,31.41 27.97,31.33 28.02,31.25 28.07,31.18 28.11,31.12 28.16,31.06 28.2,31 28.25,30.94 28.6,30.55 28.64,30.5 28.67,30.45 28.71,30.4 28.74,30.34 28.77,30.28 28.8,30.22 28.82,30.16 28.85,30.09 28.87,30.01 28.88,29.93 28.9,29.84 28.9,29.75 28.91,29.65 28.91,29.55
Col1 on Top: 33.87,67.57 33.87,67.67 33.87,67.77 33.88,67.86 33.9,67.95 33.91,68.03 33.93,68.11 33.95,68.18 33.98,68.24 34.01,68.3 34.04,68.36 34.07,68.42 34.1,68.47 34.14,68.52 34.18,68.57 34.53,68.96 34.57,69.02 34.62,69.08 34.67,69.14 34.71,69.2 34.76,69.27 34.8,69.35 34.85,69.43 34.89,69.51 33.77,70.68 32.64,69.51 32.68,69.43 32.73,69.35 32.77,69.27 32.82,69.2 32.86,69.14 32.91,69.08 32.96,69.02 33,68.96 33.35,68.57 33.39,68.52 33.43,68.47 33.46,68.42 33.49,68.36 33.52,68.3 33.55,68.24 33.58,68.18 33.6,68.11 33.62,68.03 33.63,67.95 33.65,67.86 33.66,67.77 33.66,67.67 33.66,67.57
Col1 on Bottom: 35.45,71.89 35.38,71.81 35.3,71.75 35.23,71.69 35.16,71.64 35.09,71.59 35.03,71.55 34.96,71.52 34.9,71.49 34.83,71.46 34.77,71.44 34.71,71.43 34.65,71.41 34.58,71.4 34.52,71.4 34,71.37 33.93,71.36 33.85,71.35 33.78,71.34 33.7,71.33 33.62,71.31 33.53,71.29 33.45,71.27 33.35,71.24 33.32,69.61 34.95,69.65 34.98,69.74 35,69.82 35.02,69.91 35.04,69.99 35.05,70.07 35.06,70.14 35.07,70.22 35.08,70.29 35.11,70.81 35.11,70.87 35.12,70.94 35.14,71 35.15,71.06 35.17,71.12 35.2,71.19 35.23,71.25 35.26,71.32 35.3,71.38 35.35,71.45 35.4,71.52 35.46,71.59 35.52,71.67 35.6,71.75
Col2 on Top: 57.63,48.56 57.63,48.66 57.64,48.76 57.64,48.85 57.66,48.94 57.67,49.02 57.69,49.1 57.72,49.17 57.74,49.23 57.77,49.29 57.8,49.35 57.83,49.41 57.87,49.46 57.9,49.51 57.94,49.56 58.29,49.95 58.34,50.01 58.38,50.07 58.43,50.13 58.47,50.19 58.52,50.26 58.57,50.34 58.61,50.42 58.65,50.5 57.53,51.67 56.4,50.5 56.45,50.42 56.49,50.34 56.53,50.26 56.58,50.19 56.63,50.13 56.67,50.07 56.72,50.01 56.77,49.95 57.11,49.56 57.15,49.51 57.19,49.46 57.22,49.41 57.26,49.35 57.29,49.29 57.31,49.23 57.34,49.17 57.36,49.1 57.38,49.02 57.4,48.94 57.41,48.85 57.42,48.76 57.43,48.66 57.43,48.56
Col2 on Top: 54.34,15.99 54.42,15.91 54.48,15.83 54.54,15.76 54.59,15.69 54.64,15.62 54.68,15.56 54.71,15.49 54.74,15.43 54.76,15.36 54.79,15.3 54.8,15.24 54.81,15.18 54.82,15.11 54.83,15.05 54.86,14.53 54.87,14.46 54.88,14.38 54.89,14.31 54.9,14.23 54.92,14.15 54.94,14.06 54.96,13.98 54.99,13.89 56.62,13.85 56.58,15.48 56.49,15.51 56.41,15.53 56.32,15.55 56.24,15.57 56.16,15.58 56.08,15.59 56.01,15.6 55.94,15.61 55.42,15.64 55.35,15.64 55.29,15.65 55.23,15.67 55.17,15.68 55.11,15.7 55.04,15.73 54.98,15.76 54.91,15.79 54.84,15.83 54.78,15.88 54.71,15.93 54.63,15.99 54.56,16.05 54.48,16.13
Col2 on Top: 48.12,29.55 48.12,29.65 48.13,29.75 48.14,29.84 48.15,29.93 48.17,30.01 48.19,30.09 48.21,30.16 48.24,30.22 48.26,30.28 48.29,30.34 48.33,30.4 48.36,30.45 48.4,30.5 48.44,30.55 48.78,30.94 48.83,31 48.88,31.06 48.92,31.12 48.97,31.18 49.02,31.25 49.06,31.33 49.1,31.41 49.15,31.49 48.02,32.66 46.9,31.49 46.94,31.41 46.98,31.33 47.03,31.25 47.08,31.18 47.12,31.12 47.17,31.06 47.21,31 47.26,30.94 47.61,30.55 47.65,30.5 47.68,30.45 47.72,30.4 47.75,30.34 47.78,30.28 47.81,30.22 47.83,30.16 47.86,30.09 47.88,30.01 47.89,29.93 47.91,29.84 47.91,29.75 47.92,29.65 47.92,29.55
